# KiCad board mse-68-vhdci-panel.kicad_pcb (continued)
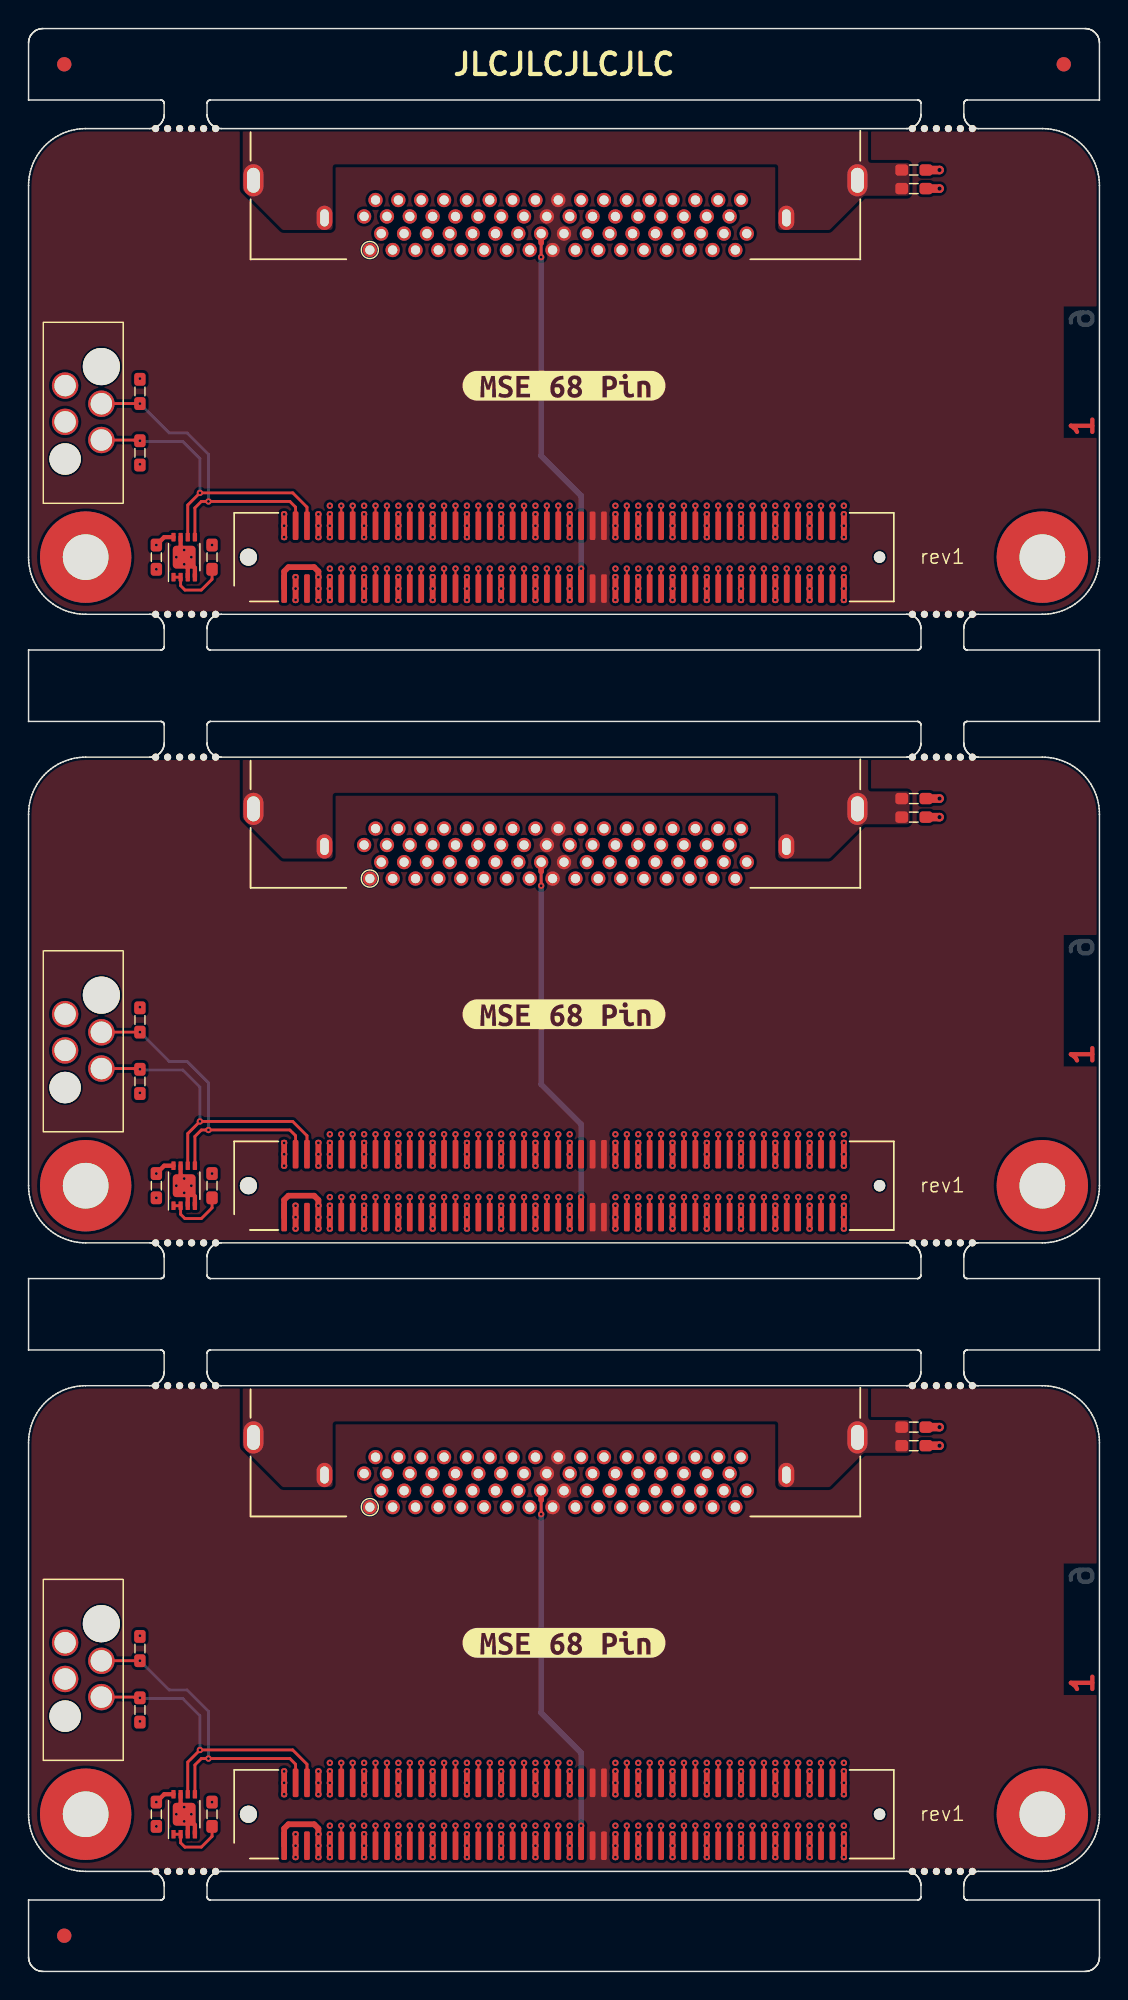
[diagram p0: board, top side]
## Routing (per net, layer and track width the routed paths; a pad name or vN(x,y) marks a point on that pad's centre or on a via; arc(x,y) is an arc through that point) (continued)
Board_1-/CON.C/D-: length 27
  Top w0.151: J1#3.80 v1(49.1,58.6)
  In2.Cu w0.151: v1(49.1,58.6) 45.7,62 45.7,65 arc(45.77,65.17) 45.94,65.24 45.96,65.24 arc(46.13,65.31) 46.2,65.48 46.2,65.6 arc(46.13,65.77) 45.96,65.84 45.94,65.84 arc(45.77,65.91) 45.7,66.08 45.7,66.2 arc(45.77,66.37) 45.94,66.44 45.96,66.44 arc(46.13,66.51) 46.2,66.68 46.2,66.8 arc(46.13,66.97) 45.96,67.04 45.94,67.04 arc(45.77,67.11) 45.7,67.28 45.7,67.4 arc(45.77,67.57) 45.94,67.64 45.96,67.64 arc(46.13,67.71) 46.2,67.88 46.2,68 arc(46.13,68.17) 45.96,68.24 45.94,68.24 arc(45.77,68.31) 45.7,68.48 45.7,68.6 arc(45.77,68.77) 45.94,68.84 45.96,68.84 arc(46.13,68.91) 46.2,69.08 46.2,69.2 arc(46.13,69.37) 45.96,69.44 45.94,69.44 arc(45.77,69.51) 45.7,69.68 45.7,76.7 44.9,77.5 44.9,78 45.1,78.2 J4#3.62
Board_1-/CON.DB0+: length 29.6
  Top w0.151: J1#3.25 v1(27.5,54.2)
  In3.Cu w0.151: v1(27.5,54.2) 27.81,54.51 27.81,58.91 28.1,59.2 28.1,62 arc(28.16,62.15) 28.31,62.22 arc(28.47,62.28) 28.53,62.43 28.53,62.6 arc(28.47,62.75) 28.31,62.82 arc(28.16,62.88) 28.1,63.03 28.1,63.2 arc(28.16,63.35) 28.31,63.42 arc(28.47,63.48) 28.53,63.63 28.53,63.8 arc(28.47,63.95) 28.31,64.02 arc(28.16,64.08) 28.1,64.23 28.1,64.4 arc(28.16,64.55) 28.31,64.62 arc(28.47,64.68) 28.53,64.83 28.53,65 arc(28.47,65.15) 28.31,65.22 arc(28.16,65.28) 28.1,65.43 28.1,65.6 arc(28.16,65.75) 28.31,65.82 arc(28.47,65.88) 28.53,66.03 28.53,66.2 arc(28.47,66.35) 28.31,66.42 arc(28.16,66.48) 28.1,66.63 28.1,66.8 arc(28.16,66.95) 28.31,67.02 arc(28.47,67.08) 28.53,67.23 28.53,67.4 arc(28.47,67.55) 28.31,67.62 arc(28.16,67.68) 28.1,67.83 28.1,68 arc(28.16,68.15) 28.31,68.22 arc(28.47,68.28) 28.53,68.43 28.53,68.6 arc(28.47,68.75) 28.31,68.82 arc(28.16,68.88) 28.1,69.03 28.1,69.2 arc(28.16,69.35) 28.31,69.42 arc(28.47,69.48) 28.53,69.63 28.53,69.8 arc(28.47,69.95) 28.31,70.02 arc(28.16,70.08) 28.1,70.23 28.1,70.4 arc(28.16,70.55) 28.31,70.62 arc(28.47,70.68) 28.53,70.83 28.53,71 arc(28.47,71.15) 28.31,71.22 arc(28.16,71.28) 28.1,71.43 28.1,71.6 arc(28.16,71.75) 28.31,71.82 arc(28.47,71.88) 28.53,72.03 28.53,72.2 arc(28.47,72.35) 28.31,72.42 arc(28.16,72.48) 28.1,72.63 28.1,76.1 27.9,76.3 J4#3.6
Board_1-/CON.DB0-: length 27
  Top w0.151: J1#3.26 v1(27.5,58.6)
  In2.Cu w0.151: v1(27.5,58.6) 28.1,59.2 28.1,62 arc(28.17,62.17) 28.34,62.24 28.36,62.24 arc(28.53,62.31) 28.6,62.48 28.6,62.6 arc(28.53,62.77) 28.36,62.84 28.34,62.84 arc(28.17,62.91) 28.1,63.08 28.1,63.2 arc(28.17,63.37) 28.34,63.44 28.36,63.44 arc(28.53,63.51) 28.6,63.68 28.6,63.8 arc(28.53,63.97) 28.36,64.04 28.34,64.04 arc(28.17,64.11) 28.1,64.28 28.1,64.4 arc(28.17,64.57) 28.34,64.64 28.36,64.64 arc(28.53,64.71) 28.6,64.88 28.6,65 arc(28.53,65.17) 28.36,65.24 28.34,65.24 arc(28.17,65.31) 28.1,65.48 28.1,65.6 arc(28.17,65.77) 28.34,65.84 28.36,65.84 arc(28.53,65.91) 28.6,66.08 28.6,66.2 arc(28.53,66.37) 28.36,66.44 28.34,66.44 arc(28.17,66.51) 28.1,66.68 28.1,66.8 arc(28.17,66.97) 28.34,67.04 28.36,67.04 arc(28.53,67.11) 28.6,67.28 28.6,67.4 arc(28.53,67.57) 28.36,67.64 28.34,67.64 arc(28.17,67.71) 28.1,67.88 28.1,68 arc(28.17,68.17) 28.34,68.24 28.36,68.24 arc(28.53,68.31) 28.6,68.48 28.6,68.6 arc(28.53,68.77) 28.36,68.84 28.34,68.84 arc(28.17,68.91) 28.1,69.08 28.1,76.68 27.3,77.48 27.3,78 27.5,78.2 J4#3.40
Board_1-/CON.DB1+: length 28.8
  Top w0.151: J1#3.29 v1(29.1,54.2)
  In3.Cu w0.151: v1(29.1,54.2) 28.8,54.5 28.8,58.71 29.3,59.21 29.3,62 arc(29.24,62.14) 29.1,62.2 arc(28.96,62.26) 28.9,62.4 28.9,62.6 arc(28.96,62.74) 29.1,62.8 arc(29.24,62.86) 29.3,63 29.3,63.2 arc(29.24,63.34) 29.1,63.4 arc(28.96,63.46) 28.9,63.6 28.9,63.8 arc(28.96,63.94) 29.1,64 arc(29.24,64.06) 29.3,64.2 29.3,64.4 arc(29.24,64.54) 29.1,64.6 arc(28.96,64.66) 28.9,64.8 28.9,65 arc(28.96,65.14) 29.1,65.2 arc(29.24,65.26) 29.3,65.4 29.3,65.6 arc(29.24,65.74) 29.1,65.8 arc(28.96,65.86) 28.9,66 28.9,66.2 arc(28.96,66.34) 29.1,66.4 arc(29.24,66.46) 29.3,66.6 29.3,66.8 arc(29.24,66.94) 29.1,67 arc(28.96,67.06) 28.9,67.2 28.9,67.4 arc(28.96,67.54) 29.1,67.6 arc(29.24,67.66) 29.3,67.8 29.3,68 arc(29.24,68.14) 29.1,68.2 arc(28.96,68.26) 28.9,68.4 28.9,68.6 arc(28.96,68.74) 29.1,68.8 arc(29.24,68.86) 29.3,69 29.3,69.2 arc(29.24,69.34) 29.1,69.4 arc(28.96,69.46) 28.9,69.6 28.9,69.8 arc(28.96,69.94) 29.1,70 arc(29.24,70.06) 29.3,70.2 29.3,70.4 arc(29.24,70.54) 29.1,70.6 arc(28.96,70.66) 28.9,70.8 28.9,71 arc(28.96,71.14) 29.1,71.2 arc(29.24,71.26) 29.3,71.4 29.3,71.6 arc(29.24,71.74) 29.1,71.8 arc(28.96,71.86) 28.9,72 28.9,72.2 arc(28.96,72.34) 29.1,72.4 arc(29.24,72.46) 29.3,72.6 29.3,72.8 arc(29.24,72.94) 29.1,73 arc(28.96,73.06) 28.9,73.2 28.9,73.4 arc(28.96,73.54) 29.1,73.6 arc(29.24,73.66) 29.3,73.8 29.3,75.9 J4#3.7
Board_1-/CON.DB1-: length 27
  Top w0.151: J1#3.30 v1(29.1,58.6)
  In2.Cu w0.151: v1(29.1,58.6) 29.3,58.8 29.3,62 arc(29.24,62.13) 29.11,62.19 arc(28.98,62.25) 28.92,62.38 28.92,62.6 arc(28.98,62.73) 29.11,62.79 arc(29.24,62.85) 29.3,62.98 29.3,63.2 arc(29.24,63.33) 29.11,63.39 arc(28.98,63.45) 28.92,63.58 28.92,63.8 arc(28.98,63.93) 29.11,63.99 arc(29.24,64.05) 29.3,64.18 29.3,64.4 arc(29.24,64.54) 29.11,64.59 arc(28.98,64.65) 28.92,64.78 28.92,65 arc(28.98,65.14) 29.11,65.19 arc(29.24,65.25) 29.3,65.38 29.3,65.6 arc(29.24,65.74) 29.11,65.79 arc(28.98,65.85) 28.92,65.98 28.92,66.2 arc(28.98,66.34) 29.11,66.39 arc(29.24,66.45) 29.3,66.58 29.3,66.8 arc(29.24,66.94) 29.11,66.99 arc(28.98,67.05) 28.92,67.18 28.92,67.4 arc(28.98,67.54) 29.11,67.59 arc(29.24,67.65) 29.3,67.78 29.3,68 arc(29.24,68.14) 29.11,68.19 arc(28.98,68.25) 28.92,68.38 28.92,68.6 arc(28.98,68.74) 29.11,68.79 arc(29.24,68.85) 29.3,68.98 29.3,69.2 arc(29.23,69.37) 29.06,69.44 29.05,69.44 arc(28.88,69.51) 28.81,69.68 28.81,69.8 arc(28.88,69.97) 29.05,70.04 29.06,70.04 arc(29.23,70.11) 29.3,70.28 29.3,70.4 arc(29.23,70.57) 29.06,70.64 29.05,70.64 arc(28.88,70.71) 28.81,70.88 28.81,71 arc(28.88,71.17) 29.05,71.24 29.06,71.24 arc(29.23,71.31) 29.3,71.48 29.3,71.6 arc(29.23,71.77) 29.06,71.84 29.05,71.84 arc(28.88,71.91) 28.81,72.08 28.81,72.2 arc(28.88,72.37) 29.05,72.44 29.06,72.44 arc(29.23,72.51) 29.3,72.68 29.3,72.8 arc(29.23,72.97) 29.06,73.04 29.05,73.04 arc(28.88,73.11) 28.81,73.28 28.81,73.4 arc(28.88,73.57) 29.05,73.64 29.06,73.64 arc(29.23,73.71) 29.3,73.88 29.3,76.65 28.5,77.45 28.5,78 28.3,78.2 J4#3.41
Board_1-/CON.DB2+: length 29.6
  Top w0.151: J1#3.31 v1(29.9,54.2)
  In3.Cu w0.151: J4#3.8 29.5,76.3 29.7,76.1 29.7,73.78 arc(29.76,73.65) 29.89,73.59 arc(30.02,73.54) 30.08,73.4 30.08,73.18 arc(30.02,73.05) 29.89,72.99 arc(29.76,72.94) 29.7,72.8 29.7,72.58 arc(29.76,72.45) 29.89,72.39 arc(30.02,72.34) 30.08,72.2 30.08,71.98 arc(30.02,71.85) 29.89,71.79 arc(29.76,71.74) 29.7,71.6 29.7,71.38 arc(29.76,71.25) 29.89,71.19 arc(30.02,71.14) 30.08,71 30.08,70.78 arc(30.02,70.65) 29.89,70.59 arc(29.76,70.54) 29.7,70.4 29.7,70.18 arc(29.76,70.05) 29.89,69.99 arc(30.02,69.94) 30.08,69.8 30.08,69.58 arc(30.02,69.45) 29.89,69.39 arc(29.76,69.34) 29.7,69.2 29.7,68.98 arc(29.76,68.85) 29.89,68.79 arc(30.02,68.74) 30.08,68.6 30.08,68.38 arc(30.02,68.25) 29.89,68.19 arc(29.76,68.14) 29.7,68 29.7,67.78 arc(29.76,67.65) 29.89,67.59 arc(30.02,67.54) 30.08,67.4 30.08,67.18 arc(30.02,67.05) 29.89,66.99 arc(29.76,66.94) 29.7,66.8 29.7,66.58 arc(29.76,66.45) 29.89,66.39 arc(30.02,66.34) 30.08,66.2 30.08,65.98 arc(30.02,65.85) 29.89,65.79 arc(29.76,65.74) 29.7,65.6 29.7,65.38 arc(29.76,65.25) 29.89,65.19 arc(30.02,65.14) 30.08,65 30.08,64.78 arc(30.02,64.65) 29.89,64.59 arc(29.76,64.54) 29.7,64.4 29.7,64.18 arc(29.76,64.05) 29.89,63.99 arc(30.02,63.94) 30.08,63.8 30.08,63.58 arc(30.02,63.45) 29.89,63.39 arc(29.76,63.34) 29.7,63.2 29.7,62.98 arc(29.76,62.85) 29.89,62.79 arc(30.02,62.74) 30.08,62.6 30.08,62.38 arc(30.02,62.25) 29.89,62.19 arc(29.76,62.14) 29.7,62 29.7,59.21 30.2,58.71 30.2,54.5 v1(29.9,54.2)
Board_1-/CON.DB2-: length 27
  Top w0.151: J1#3.32 v1(29.9,58.6)
  In2.Cu w0.151: v1(29.9,58.6) 29.7,58.8 29.7,62 arc(29.76,62.15) 29.9,62.21 arc(30.05,62.27) 30.11,62.41 30.11,62.6 arc(30.05,62.75) 29.9,62.81 arc(29.76,62.87) 29.7,63.01 29.7,63.2 arc(29.76,63.35) 29.9,63.41 arc(30.05,63.47) 30.11,63.61 30.11,63.8 arc(30.05,63.95) 29.9,64.01 arc(29.76,64.07) 29.7,64.21 29.7,64.4 arc(29.76,64.55) 29.9,64.61 arc(30.05,64.67) 30.11,64.81 30.11,65 arc(30.05,65.15) 29.9,65.21 arc(29.76,65.27) 29.7,65.41 29.7,65.6 arc(29.76,65.75) 29.9,65.81 arc(30.05,65.87) 30.11,66.01 30.11,66.2 arc(30.05,66.35) 29.9,66.41 arc(29.76,66.47) 29.7,66.61 29.7,66.8 arc(29.76,66.95) 29.9,67.01 arc(30.05,67.07) 30.11,67.21 30.11,67.4 arc(30.05,67.55) 29.9,67.61 arc(29.76,67.67) 29.7,67.81 29.7,68 arc(29.76,68.15) 29.9,68.21 arc(30.05,68.27) 30.11,68.41 30.11,68.6 arc(30.05,68.75) 29.9,68.81 arc(29.76,68.87) 29.7,69.01 29.7,69.2 arc(29.76,69.35) 29.9,69.41 arc(30.05,69.47) 30.11,69.61 30.11,69.8 arc(30.05,69.95) 29.9,70.01 arc(29.76,70.07) 29.7,70.21 29.7,70.4 arc(29.75,70.53) 29.88,70.58 arc(30.01,70.63) 30.06,70.76 30.06,71 arc(30.01,71.13) 29.88,71.18 arc(29.75,71.23) 29.7,71.36 29.7,76.69 28.9,77.49 28.9,78 29.1,78.2 J4#3.42
Board_1-/CON.DB3+: length 29.6
  Top w0.151: J1#3.35 v1(31.5,54.2)
  In3.Cu w0.151: J4#3.9 30.9,75.9 30.9,73.88 arc(30.83,73.71) 30.66,73.64 arc(30.5,73.57) 30.43,73.4 30.43,73.28 arc(30.5,73.11) 30.66,73.04 arc(30.83,72.97) 30.9,72.8 30.9,72.68 arc(30.83,72.51) 30.66,72.44 arc(30.5,72.37) 30.43,72.2 30.43,72.08 arc(30.5,71.91) 30.66,71.84 arc(30.83,71.77) 30.9,71.6 30.9,71.48 arc(30.83,71.31) 30.66,71.24 arc(30.5,71.17) 30.43,71 30.43,70.88 arc(30.5,70.71) 30.66,70.64 arc(30.83,70.57) 30.9,70.4 30.9,70.27 arc(30.83,70.11) 30.66,70.04 arc(30.5,69.97) 30.43,69.8 30.43,69.67 arc(30.5,69.51) 30.66,69.44 arc(30.83,69.37) 30.9,69.2 30.9,69.07 arc(30.83,68.91) 30.66,68.84 arc(30.5,68.77) 30.43,68.6 30.43,68.47 arc(30.5,68.31) 30.66,68.24 arc(30.83,68.17) 30.9,68 30.9,67.87 arc(30.83,67.71) 30.66,67.64 arc(30.5,67.57) 30.43,67.4 30.43,67.27 arc(30.5,67.11) 30.66,67.04 arc(30.83,66.97) 30.9,66.8 30.9,66.67 arc(30.83,66.51) 30.66,66.44 arc(30.5,66.37) 30.43,66.2 30.43,66.07 arc(30.5,65.91) 30.66,65.84 arc(30.83,65.77) 30.9,65.6 30.9,65.47 arc(30.83,65.31) 30.66,65.24 arc(30.5,65.17) 30.43,65 30.43,64.87 arc(30.5,64.71) 30.66,64.64 arc(30.83,64.57) 30.9,64.4 30.9,64.27 arc(30.83,64.11) 30.66,64.04 arc(30.5,63.97) 30.43,63.8 30.43,63.67 arc(30.5,63.51) 30.66,63.44 arc(30.83,63.37) 30.9,63.2 30.9,63.07 arc(30.83,62.91) 30.66,62.84 arc(30.5,62.77) 30.43,62.6 30.43,62.47 arc(30.5,62.31) 30.66,62.24 arc(30.83,62.17) 30.9,62 30.9,59.2 31.19,58.91 31.19,54.51 v1(31.5,54.2)
Board_1-/CON.DB3-: length 27
  Top w0.151: J1#3.36 v1(31.5,58.6)
  In2.Cu w0.151: J4#3.43 29.9,78.2 30.1,78 30.1,77.46 30.9,76.66 30.9,72.68 arc(30.83,72.51) 30.66,72.44 30.65,72.44 arc(30.48,72.37) 30.41,72.2 30.41,72.08 arc(30.48,71.91) 30.65,71.84 30.66,71.84 arc(30.83,71.77) 30.9,71.6 30.9,71.48 arc(30.83,71.31) 30.66,71.24 30.65,71.24 arc(30.48,71.17) 30.41,71 30.41,70.88 arc(30.48,70.71) 30.65,70.64 30.66,70.64 arc(30.83,70.57) 30.9,70.4 30.9,70.24 arc(30.84,70.09) 30.68,70.02 arc(30.53,69.96) 30.46,69.8 30.46,69.64 arc(30.53,69.49) 30.68,69.42 arc(30.84,69.36) 30.9,69.2 30.9,69.04 arc(30.84,68.89) 30.68,68.82 arc(30.53,68.76) 30.46,68.6 30.46,68.44 arc(30.53,68.29) 30.68,68.22 arc(30.84,68.16) 30.9,68 30.9,67.84 arc(30.84,67.69) 30.68,67.62 arc(30.53,67.56) 30.46,67.4 30.46,67.24 arc(30.53,67.09) 30.68,67.02 arc(30.84,66.96) 30.9,66.8 30.9,66.64 arc(30.84,66.49) 30.68,66.42 arc(30.53,66.36) 30.46,66.2 30.46,66.04 arc(30.53,65.89) 30.68,65.82 arc(30.84,65.76) 30.9,65.6 30.9,65.44 arc(30.84,65.29) 30.68,65.22 arc(30.53,65.16) 30.46,65 30.46,64.84 arc(30.53,64.69) 30.68,64.62 arc(30.84,64.56) 30.9,64.4 30.9,64.24 arc(30.84,64.09) 30.68,64.02 arc(30.53,63.96) 30.46,63.8 30.46,63.64 arc(30.53,63.49) 30.68,63.42 arc(30.84,63.36) 30.9,63.2 30.9,63.04 arc(30.84,62.89) 30.68,62.82 arc(30.53,62.76) 30.46,62.6 30.46,62.44 arc(30.53,62.29) 30.68,62.22 arc(30.84,62.16) 30.9,62 30.9,59.2 v1(31.5,58.6)
Board_1-/CON.DB4+: length 29.6
  Top w0.151: J1#3.37 v1(32.3,54.2)
  In3.Cu w0.151: J4#3.10 31.1,76.3 31.3,76.1 31.3,73.88 arc(31.37,73.71) 31.54,73.64 arc(31.71,73.57) 31.78,73.4 31.78,73.28 arc(31.71,73.11) 31.54,73.04 arc(31.37,72.97) 31.3,72.8 31.3,72.56 arc(31.35,72.44) 31.48,72.38 arc(31.61,72.33) 31.66,72.2 31.66,71.96 arc(31.61,71.84) 31.48,71.78 arc(31.35,71.73) 31.3,71.6 31.3,71.36 arc(31.35,71.24) 31.48,71.18 arc(31.61,71.13) 31.66,71 31.66,70.76 arc(31.61,70.64) 31.48,70.58 arc(31.35,70.53) 31.3,70.4 31.3,70.16 arc(31.35,70.04) 31.48,69.98 arc(31.61,69.93) 31.66,69.8 31.66,69.56 arc(31.61,69.44) 31.48,69.38 arc(31.35,69.33) 31.3,69.2 31.3,68.96 arc(31.35,68.84) 31.48,68.78 arc(31.61,68.73) 31.66,68.6 31.66,68.36 arc(31.61,68.24) 31.48,68.18 arc(31.35,68.13) 31.3,68 31.3,67.76 arc(31.35,67.64) 31.48,67.58 arc(31.61,67.53) 31.66,67.4 31.66,67.16 arc(31.61,67.04) 31.48,66.98 arc(31.35,66.93) 31.3,66.8 31.3,66.56 arc(31.35,66.44) 31.48,66.38 arc(31.61,66.33) 31.66,66.2 31.66,65.96 arc(31.61,65.84) 31.48,65.78 arc(31.35,65.73) 31.3,65.6 31.3,65.36 arc(31.35,65.24) 31.48,65.18 arc(31.61,65.13) 31.66,65 31.66,64.76 arc(31.61,64.64) 31.48,64.58 arc(31.35,64.53) 31.3,64.4 31.3,64.16 arc(31.35,64.04) 31.48,63.98 arc(31.61,63.93) 31.66,63.8 31.66,63.56 arc(31.61,63.44) 31.48,63.38 arc(31.35,63.33) 31.3,63.2 31.3,62.96 arc(31.35,62.84) 31.48,62.78 arc(31.61,62.73) 31.66,62.6 31.66,62.36 arc(31.61,62.24) 31.48,62.18 arc(31.35,62.13) 31.3,62 31.3,59.6 31.9,59 31.9,54.6 v1(32.3,54.2)
Board_1-/CON.DB4-: length 27
  Top w0.151: J1#3.38 v1(32.3,58.6)
  In2.Cu w0.151: J4#3.44 30.7,78.2 30.5,78 30.5,77.48 31.3,76.68 31.3,69.08 arc(31.37,68.91) 31.54,68.84 31.54,68.84 arc(31.71,68.77) 31.78,68.6 31.78,68.48 arc(31.71,68.31) 31.54,68.24 31.54,68.24 arc(31.37,68.17) 31.3,68 31.3,67.88 arc(31.37,67.71) 31.54,67.64 31.54,67.64 arc(31.71,67.57) 31.78,67.4 31.78,67.28 arc(31.71,67.11) 31.54,67.04 31.54,67.04 arc(31.37,66.97) 31.3,66.8 31.3,66.68 arc(31.37,66.51) 31.54,66.44 31.54,66.44 arc(31.71,66.37) 31.78,66.2 31.78,66.08 arc(31.71,65.91) 31.54,65.84 31.54,65.84 arc(31.37,65.77) 31.3,65.6 31.3,65.48 arc(31.37,65.31) 31.54,65.24 31.54,65.24 arc(31.71,65.17) 31.78,65 31.78,64.88 arc(31.71,64.71) 31.54,64.64 31.54,64.64 arc(31.37,64.57) 31.3,64.4 31.3,64.28 arc(31.37,64.11) 31.54,64.04 31.54,64.04 arc(31.71,63.97) 31.78,63.8 31.78,63.68 arc(31.71,63.51) 31.54,63.44 31.54,63.44 arc(31.37,63.37) 31.3,63.2 31.3,63.08 arc(31.37,62.91) 31.54,62.84 31.54,62.84 arc(31.71,62.77) 31.78,62.6 31.78,62.48 arc(31.71,62.31) 31.54,62.24 31.54,62.24 arc(31.37,62.17) 31.3,62 31.3,59.6 v1(32.3,58.6)
Board_1-/CON.DB5+: length 29.6
  Top w0.151: J1#3.41 v1(33.9,54.2)
  In3.Cu w0.151: J4#3.11 32.5,75.9 32.5,72.68 arc(32.43,72.51) 32.26,72.44 32.25,72.44 arc(32.08,72.37) 32.01,72.2 32.01,72.08 arc(32.08,71.91) 32.25,71.84 32.26,71.84 arc(32.43,71.77) 32.5,71.6 32.5,71.48 arc(32.43,71.31) 32.26,71.24 32.25,71.24 arc(32.08,71.17) 32.01,71 32.01,70.88 arc(32.08,70.71) 32.25,70.64 32.26,70.64 arc(32.43,70.57) 32.5,70.4 32.5,70.28 arc(32.43,70.11) 32.26,70.04 32.25,70.04 arc(32.08,69.97) 32.01,69.8 32.01,69.68 arc(32.08,69.51) 32.25,69.44 32.26,69.44 arc(32.43,69.37) 32.5,69.2 32.5,69.08 arc(32.43,68.91) 32.26,68.84 32.25,68.84 arc(32.08,68.77) 32.01,68.6 32.01,68.48 arc(32.08,68.31) 32.25,68.24 32.26,68.24 arc(32.43,68.17) 32.5,68 32.5,67.88 arc(32.43,67.71) 32.26,67.64 32.25,67.64 arc(32.08,67.57) 32.01,67.4 32.01,67.28 arc(32.08,67.11) 32.25,67.04 32.26,67.04 arc(32.43,66.97) 32.5,66.8 32.5,66.68 arc(32.43,66.51) 32.26,66.44 32.25,66.44 arc(32.08,66.37) 32.01,66.2 32.01,66.08 arc(32.08,65.91) 32.25,65.84 32.26,65.84 arc(32.43,65.77) 32.5,65.6 32.5,65.48 arc(32.43,65.31) 32.26,65.24 32.25,65.24 arc(32.08,65.17) 32.01,65 32.01,64.88 arc(32.08,64.71) 32.25,64.64 32.26,64.64 arc(32.43,64.57) 32.5,64.4 32.5,64.28 arc(32.43,64.11) 32.26,64.04 32.25,64.04 arc(32.08,63.97) 32.01,63.8 32.01,63.68 arc(32.08,63.51) 32.25,63.44 32.26,63.44 arc(32.43,63.37) 32.5,63.2 32.5,63.08 arc(32.43,62.91) 32.26,62.84 32.25,62.84 arc(32.08,62.77) 32.01,62.6 32.01,62.48 arc(32.08,62.31) 32.25,62.24 32.26,62.24 arc(32.43,62.17) 32.5,62 32.5,60 33.59,58.91 33.59,58.71 33.6,58.7 33.6,54.5 v1(33.9,54.2)
Board_1-/CON.DB5-: length 27
  Top w0.151: v1(33.9,58.6) J1#3.42
  In2.Cu w0.151: J4#3.45 31.5,78.2 31.7,78 31.7,77.45 32.5,76.65 32.5,72.68 arc(32.43,72.51) 32.26,72.44 32.25,72.44 arc(32.08,72.37) 32.01,72.2 32.01,72.08 arc(32.08,71.91) 32.25,71.84 32.26,71.84 arc(32.43,71.77) 32.5,71.6 32.5,71.48 arc(32.43,71.31) 32.26,71.24 32.25,71.24 arc(32.08,71.17) 32.01,71 32.01,70.88 arc(32.08,70.71) 32.25,70.64 32.26,70.64 arc(32.43,70.57) 32.5,70.4 32.5,70.28 arc(32.43,70.11) 32.26,70.04 32.25,70.04 arc(32.08,69.97) 32.01,69.8 32.01,69.68 arc(32.08,69.51) 32.25,69.44 32.26,69.44 arc(32.43,69.37) 32.5,69.2 32.5,68.98 arc(32.44,68.85) 32.31,68.79 arc(32.17,68.74) 32.12,68.6 32.12,68.38 arc(32.17,68.25) 32.31,68.19 arc(32.44,68.14) 32.5,68 32.5,67.78 arc(32.44,67.65) 32.31,67.59 arc(32.17,67.54) 32.12,67.4 32.12,67.18 arc(32.17,67.05) 32.31,66.99 arc(32.44,66.94) 32.5,66.8 32.5,66.58 arc(32.44,66.45) 32.31,66.39 arc(32.17,66.34) 32.12,66.2 32.12,65.98 arc(32.17,65.85) 32.31,65.79 arc(32.44,65.74) 32.5,65.6 32.5,65.38 arc(32.44,65.25) 32.31,65.19 arc(32.17,65.14) 32.12,65 32.12,64.78 arc(32.17,64.65) 32.31,64.59 arc(32.44,64.54) 32.5,64.4 32.5,64.18 arc(32.44,64.05) 32.31,63.99 arc(32.17,63.94) 32.12,63.8 32.12,63.58 arc(32.17,63.45) 32.31,63.39 arc(32.44,63.34) 32.5,63.2 32.5,62.98 arc(32.44,62.85) 32.31,62.79 arc(32.17,62.74) 32.12,62.6 32.12,62.38 arc(32.17,62.25) 32.31,62.19 arc(32.44,62.14) 32.5,62 32.5,60 v1(33.9,58.6)
Board_1-/CON.DB6+: length 29.6
  Top w0.151: J1#3.43 v1(34.7,54.2)
  In3.Cu w0.151: J4#3.12 32.7,76.3 32.9,76.1 32.9,71.39 arc(32.96,71.25) 33.09,71.19 arc(33.23,71.14) 33.29,71 33.29,70.79 arc(33.23,70.65) 33.09,70.59 arc(32.96,70.54) 32.9,70.4 32.9,70.24 arc(32.96,70.08) 33.12,70.02 arc(33.27,69.96) 33.34,69.8 33.34,69.64 arc(33.27,69.48) 33.12,69.42 arc(32.96,69.36) 32.9,69.2 32.9,69.04 arc(32.96,68.88) 33.12,68.82 arc(33.27,68.76) 33.34,68.6 33.34,68.44 arc(33.27,68.28) 33.12,68.22 arc(32.96,68.16) 32.9,68 32.9,67.84 arc(32.96,67.68) 33.12,67.62 arc(33.27,67.56) 33.34,67.4 33.34,67.24 arc(33.27,67.08) 33.12,67.02 arc(32.96,66.96) 32.9,66.8 32.9,66.64 arc(32.96,66.48) 33.12,66.42 arc(33.27,66.36) 33.34,66.2 33.34,66.04 arc(33.27,65.88) 33.12,65.82 arc(32.96,65.76) 32.9,65.6 32.9,65.44 arc(32.96,65.28) 33.12,65.22 arc(33.27,65.16) 33.34,65 33.34,64.84 arc(33.27,64.68) 33.12,64.62 arc(32.96,64.56) 32.9,64.4 32.9,64.24 arc(32.96,64.08) 33.12,64.02 arc(33.27,63.96) 33.34,63.8 33.34,63.64 arc(33.27,63.48) 33.12,63.42 arc(32.96,63.36) 32.9,63.2 32.9,63.04 arc(32.96,62.88) 33.12,62.82 arc(33.27,62.76) 33.34,62.6 33.34,62.44 arc(33.27,62.28) 33.12,62.22 arc(32.96,62.16) 32.9,62 32.9,60.4 34.3,59 34.3,54.6 v1(34.7,54.2)
Board_1-/CON.DB6-: length 27
  Top w0.151: J1#3.44 v1(34.7,58.6)
  In2.Cu w0.151: v1(34.7,58.6) 32.9,60.4 32.9,62 arc(32.96,62.16) 33.12,62.22 arc(33.27,62.29) 33.34,62.44 33.34,62.6 arc(33.27,62.76) 33.12,62.82 arc(32.96,62.89) 32.9,63.04 32.9,63.2 arc(32.96,63.36) 33.12,63.42 arc(33.27,63.49) 33.34,63.64 33.34,63.8 arc(33.27,63.96) 33.12,64.02 arc(32.96,64.09) 32.9,64.24 32.9,64.4 arc(32.96,64.56) 33.12,64.62 arc(33.27,64.69) 33.34,64.84 33.34,65 arc(33.27,65.16) 33.12,65.22 arc(32.96,65.29) 32.9,65.44 32.9,65.6 arc(32.96,65.76) 33.12,65.82 arc(33.27,65.89) 33.34,66.04 33.34,66.2 arc(33.27,66.36) 33.12,66.42 arc(32.96,66.49) 32.9,66.64 32.9,66.8 arc(32.96,66.96) 33.12,67.02 arc(33.27,67.09) 33.34,67.24 33.34,67.4 arc(33.27,67.56) 33.12,67.62 arc(32.96,67.69) 32.9,67.84 32.9,68 arc(32.96,68.16) 33.12,68.22 arc(33.27,68.29) 33.34,68.44 33.34,68.6 arc(33.27,68.76) 33.12,68.82 arc(32.96,68.89) 32.9,69.04 32.9,76.69 32.1,77.49 32.1,78 32.3,78.2 J4#3.46
Board_1-/CON.DB7+: length 29.6
  Top w0.151: J1#3.47 v1(36.3,54.2)
  In3.Cu w0.151: v1(36.3,54.2) 36,54.5 36,58.9 34.1,60.8 34.1,62 arc(34.03,62.16) 33.88,62.22 arc(33.72,62.29) 33.65,62.45 33.65,62.6 arc(33.72,62.76) 33.88,62.82 arc(34.03,62.89) 34.1,63.05 34.1,63.2 arc(34.03,63.36) 33.88,63.42 arc(33.72,63.49) 33.65,63.65 33.65,63.8 arc(33.72,63.96) 33.88,64.02 arc(34.03,64.09) 34.1,64.25 34.1,64.4 arc(34.03,64.56) 33.88,64.62 arc(33.72,64.69) 33.65,64.85 33.65,65 arc(33.72,65.16) 33.88,65.22 arc(34.03,65.29) 34.1,65.45 34.1,65.6 arc(34.03,65.76) 33.88,65.82 arc(33.72,65.89) 33.65,66.05 33.65,66.2 arc(33.72,66.36) 33.88,66.42 arc(34.03,66.49) 34.1,66.65 34.1,66.8 arc(34.03,66.96) 33.88,67.02 arc(33.72,67.09) 33.65,67.25 33.65,67.4 arc(33.72,67.56) 33.88,67.62 arc(34.03,67.69) 34.1,67.85 34.1,68 arc(34.03,68.16) 33.88,68.22 arc(33.72,68.29) 33.65,68.45 33.65,68.6 arc(33.72,68.76) 33.88,68.82 arc(34.03,68.89) 34.1,69.05 34.1,69.2 arc(34.03,69.36) 33.88,69.42 arc(33.72,69.49) 33.65,69.65 33.65,69.8 arc(33.72,69.96) 33.88,70.02 arc(34.03,70.09) 34.1,70.25 34.1,70.4 arc(34.03,70.57) 33.86,70.64 33.84,70.64 arc(33.67,70.71) 33.6,70.88 33.6,71 arc(33.67,71.17) 33.84,71.24 33.86,71.24 arc(34.03,71.31) 34.1,71.48 34.1,71.6 arc(34.03,71.77) 33.86,71.84 33.84,71.84 arc(33.67,71.91) 33.6,72.08 33.6,72.2 arc(33.67,72.37) 33.84,72.44 33.86,72.44 arc(34.03,72.51) 34.1,72.68 34.1,75.9 J4#3.13
Board_1-/CON.DB7-: length 27
  Top w0.151: J1#3.48 v1(36.3,58.6)
  In2.Cu w0.151: J4#3.47 33.1,78.2 33.3,78 33.3,77.46 34.1,76.66 34.1,71.48 arc(34.03,71.31) 33.86,71.24 33.85,71.24 arc(33.68,71.17) 33.61,71 33.61,70.88 arc(33.68,70.71) 33.85,70.64 33.86,70.64 arc(34.03,70.57) 34.1,70.4 34.1,70.28 arc(34.03,70.11) 33.86,70.04 33.85,70.04 arc(33.68,69.97) 33.61,69.8 33.61,69.68 arc(33.68,69.51) 33.85,69.44 33.86,69.44 arc(34.03,69.37) 34.1,69.2 34.1,69.02 arc(34.03,68.87) 33.89,68.81 arc(33.74,68.75) 33.67,68.6 33.67,68.42 arc(33.74,68.27) 33.89,68.21 arc(34.03,68.15) 34.1,68 34.1,67.82 arc(34.03,67.67) 33.89,67.61 arc(33.74,67.55) 33.67,67.4 33.67,67.22 arc(33.74,67.07) 33.89,67.01 arc(34.03,66.95) 34.1,66.8 34.1,66.62 arc(34.03,66.47) 33.89,66.41 arc(33.74,66.35) 33.67,66.2 33.67,66.02 arc(33.74,65.87) 33.89,65.81 arc(34.03,65.75) 34.1,65.6 34.1,65.42 arc(34.03,65.27) 33.89,65.21 arc(33.74,65.15) 33.67,65 33.67,64.82 arc(33.74,64.67) 33.89,64.61 arc(34.03,64.55) 34.1,64.4 34.1,64.22 arc(34.03,64.07) 33.89,64.01 arc(33.74,63.95) 33.67,63.8 33.67,63.62 arc(33.74,63.47) 33.89,63.41 arc(34.03,63.35) 34.1,63.2 34.1,63.02 arc(34.03,62.87) 33.89,62.81 arc(33.74,62.75) 33.67,62.6 33.67,62.42 arc(33.74,62.27) 33.89,62.21 arc(34.03,62.15) 34.1,62 34.1,60.8 v1(36.3,58.6)
Board_1-/CON.DB8+: length 29.6
  Top w0.151: J1#3.89 v1(53.1,54.2)
  In3.Cu w0.151: v1(53.1,54.2) 52.8,54.5 52.8,58.9 48.5,63.2 48.5,65 arc(48.44,65.14) 48.3,65.2 arc(48.16,65.26) 48.11,65.4 48.11,65.6 arc(48.16,65.74) 48.3,65.8 arc(48.44,65.86) 48.5,66 48.5,66.2 arc(48.44,66.34) 48.3,66.4 arc(48.16,66.46) 48.11,66.6 48.11,66.8 arc(48.16,66.94) 48.3,67 arc(48.44,67.06) 48.5,67.2 48.5,67.4 arc(48.44,67.54) 48.3,67.6 arc(48.16,67.66) 48.11,67.8 48.11,68 arc(48.16,68.14) 48.3,68.2 arc(48.44,68.26) 48.5,68.4 48.5,68.6 arc(48.44,68.74) 48.3,68.8 arc(48.16,68.86) 48.11,69 48.11,69.2 arc(48.16,69.34) 48.3,69.4 arc(48.44,69.46) 48.5,69.6 48.5,69.8 arc(48.44,69.94) 48.3,70 arc(48.16,70.06) 48.11,70.2 48.11,70.4 arc(48.16,70.54) 48.3,70.6 arc(48.44,70.66) 48.5,70.8 48.5,71 arc(48.44,71.14) 48.3,71.2 arc(48.16,71.26) 48.11,71.4 48.11,71.6 arc(48.16,71.74) 48.3,71.8 arc(48.44,71.86) 48.5,72 48.5,72.2 arc(48.43,72.36) 48.27,72.43 arc(48.11,72.5) 48.04,72.66 48.04,72.8 arc(48.11,72.96) 48.27,73.03 arc(48.43,73.1) 48.5,73.26 48.5,73.4 arc(48.43,73.56) 48.27,73.63 arc(48.11,73.7) 48.04,73.86 48.04,74 arc(48.11,74.16) 48.27,74.23 arc(48.43,74.3) 48.5,74.46 48.5,75.9 J4#3.31
Board_1-/CON.DB8-: length 27
  Top w0.151: J1#3.90 v1(53.1,58.6)
  In2.Cu w0.151: J4#3.65 47.5,78.2 47.7,78 47.7,77.48 48.5,76.68 48.5,72.08 arc(48.43,71.91) 48.26,71.84 48.25,71.84 arc(48.08,71.77) 48.01,71.6 48.01,71.48 arc(48.08,71.31) 48.25,71.24 48.26,71.24 arc(48.43,71.17) 48.5,71 48.5,70.88 arc(48.43,70.71) 48.26,70.64 48.25,70.64 arc(48.08,70.57) 48.01,70.4 48.01,70.28 arc(48.08,70.11) 48.25,70.04 48.26,70.04 arc(48.43,69.97) 48.5,69.8 48.5,69.58 arc(48.45,69.44) 48.31,69.39 arc(48.18,69.33) 48.13,69.2 48.13,68.98 arc(48.18,68.84) 48.31,68.79 arc(48.45,68.73) 48.5,68.6 48.5,68.43 arc(48.44,68.28) 48.29,68.21 arc(48.14,68.15) 48.08,68 48.08,67.83 arc(48.14,67.68) 48.29,67.61 arc(48.44,67.55) 48.5,67.4 48.5,67.23 arc(48.44,67.08) 48.29,67.01 arc(48.14,66.95) 48.08,66.8 48.08,66.63 arc(48.14,66.48) 48.29,66.41 arc(48.44,66.35) 48.5,66.2 48.5,66.03 arc(48.44,65.88) 48.29,65.81 arc(48.14,65.75) 48.08,65.6 48.08,65.43 arc(48.14,65.28) 48.29,65.21 arc(48.44,65.15) 48.5,65 48.5,63.2 v1(53.1,58.6)
Board_1-/CON.DB9+: length 29.6
  Top w0.151: J1#3.91 v1(53.9,54.2)
  In3.Cu w0.151: v1(53.9,54.2) 53.5,54.6 53.5,59 48.9,63.6 48.9,65 arc(48.96,65.14) 49.09,65.19 arc(49.22,65.25) 49.28,65.38 49.28,65.6 arc(49.22,65.74) 49.09,65.79 arc(48.96,65.85) 48.9,65.98 48.9,66.2 arc(48.96,66.34) 49.09,66.39 arc(49.22,66.45) 49.28,66.58 49.28,66.8 arc(49.22,66.94) 49.09,66.99 arc(48.96,67.05) 48.9,67.18 48.9,67.4 arc(48.96,67.54) 49.09,67.59 arc(49.22,67.65) 49.28,67.78 49.28,68 arc(49.22,68.14) 49.09,68.19 arc(48.96,68.25) 48.9,68.38 48.9,68.6 arc(48.96,68.74) 49.09,68.79 arc(49.22,68.85) 49.28,68.98 49.28,69.2 arc(49.22,69.34) 49.09,69.39 arc(48.96,69.45) 48.9,69.58 48.9,69.8 arc(48.96,69.94) 49.09,69.99 arc(49.22,70.05) 49.28,70.18 49.28,70.4 arc(49.22,70.54) 49.09,70.59 arc(48.96,70.65) 48.9,70.78 48.9,71 arc(48.96,71.14) 49.09,71.19 arc(49.22,71.25) 49.28,71.38 49.28,71.6 arc(49.22,71.74) 49.09,71.79 arc(48.96,71.85) 48.9,71.98 48.9,76.1 48.7,76.3 J4#3.32